# Allegro board LED_FIN.brd (continued)
## Routing (per net, layer and track width the routed paths; a pad name or vN(x,y) marks a point on that pad's centre or on a via; arc(x,y) is an arc through that point) (continued)
COL_CON_A0: length 68.5
  TOP w0.15: U274.1 276.15,132.95 274.7,131.5 J3.1
COL_CON_A1: length 67.1
  TOP w0.15: U273.1 274.15,133.98 273.77,133.6 234.78,133.6 J3.2
COL_CON_A2: length 66.3
  TOP w0.15: U272.1 272.15,134.2 271.95,134 233.91,134 J3.3
COL_CON_A3: length 66.6
  TOP w0.15: J3.4 229.68,131.96 229.68,132.63 231.44,134.4 269.95,134.4 270.15,134.6 U271.1
COL_CON_A4: length 65.5
  TOP w0.15: U270.1 268.15,135 267.95,134.8 230.13,134.8 228.87,133.54 J3.5
COL_CON_A5: length 65.4
  TOP w0.15: U269.1 266.15,135.4 265.95,135.2 227.8,135.2 227.6,135 J3.6
COL_CON_A6: length 64.9
  TOP w0.15: J3.7 226.33,132.15 226.05,132.43 226.05,135.12 226.53,135.6 263.95,135.6 264.15,135.8 U268.1
COL_CON_A7: length 64
  TOP w0.15: J3.8 225.06,135.8 225.26,136 261.95,136 262.15,136.2 U267.1
COL_CON_A8: length 63.2
  TOP w0.15: J3.9 223.79,136.2 223.99,136.4 259.95,136.4 260.15,136.6 U266.1
COL_CON_A9: length 62.9
  TOP w0.15: J3.10 222.05,131.97 222.05,136.13 222.72,136.8 257.95,136.8 258.15,137 U265.1
COL_CON_A10: length 61.8
  TOP w0.15: J3.11 221.25,137 221.45,137.2 255.95,137.2 256.15,137.4 U264.1
COL_CON_A11: length 61
  TOP w0.15: J3.12 219.98,137.4 220.18,137.6 253.95,137.6 254.15,137.8 U263.1
COL_CON_A12: length 60.3
  TOP w0.15: J3.13 218.71,137.75 218.96,138 251.95,138 252.15,138.2 U262.1
COL_CON_A13: length 59.6
  TOP w0.15: J3.14 217.44,138.2 217.64,138.4 249.95,138.4 250.15,138.6 U261.1
COL_CON_A14: length 59.1
  TOP w0.15: J3.15 216.17,132.15 215.85,132.47 215.85,138.28 216.37,138.8 247.95,138.8 248.15,139 U260.1
COL_CON_A15: length 58.1
  TOP w0.15: J3.16 214.9,139 215.1,139.2 245.95,139.2 246.15,139.4 U259.1
COL_CON_A16: length 57.4
  TOP w0.15: U258.1 244.15,139.8 243.95,139.6 213.83,139.6 213.63,139.4 J3.17
COL_CON_A17: length 56.9
  TOP w0.15: U257.1 242.15,140.2 241.95,140 212.56,140 212.04,139.48 212.04,132.47 212.36,132.15 J3.18
COL_CON_A18: length 55.9
  TOP w0.15: U256.1 240.15,140.6 239.95,140.4 211.29,140.4 211.09,140.2 J3.19
COL_CON_A19: length 55.2
  TOP w0.15: U255.1 238.15,141 237.95,140.8 210.02,140.8 209.82,140.6 J3.20
COL_CON_A20: length 53.9
  TOP w0.15: J3.21 208.55,140.07 209.68,141.2 235.95,141.2 236.15,141.4 U254.1
COL_CON_A21: length 53.7
  TOP w0.15: J3.22 207.28,141.4 207.48,141.6 233.95,141.6 234.15,141.8 U253.1
COL_CON_A22: length 53
  TOP w0.15: U252.1 232.15,142.2 231.95,142 206.21,142 206.01,141.8 J3.23
COL_CON_A23: length 51.6
  TOP w0.15: U251.1 230.15,142.6 229.95,142.4 206.02,142.4 204.74,141.12 J3.24
COL_CON_A24: length 51.5
  TOP w0.15: J3.25 203.47,142.6 203.67,142.8 227.95,142.8 228.15,143 U250.1
COL_CON_A25: length 50.9
  TOP w0.15: J3.26 202.05,131.65 202.05,142.85 202.4,143.2 225.95,143.2 226.15,143.4 U249.1
COL_CON_A26: length 49.5
  TOP w0.15: U248.1 224.15,143.8 223.95,143.6 202.08,143.6 200.93,142.45 J3.27
COL_CON_A27: length 49.4
  TOP w0.15: U247.1 222.15,144.2 221.95,144 199.86,144 199.66,143.8 J3.28
COL_CON_A28: length 48.9
  TOP w0.15: J3.29 198.39,132.15 198.05,132.49 198.05,143.86 198.59,144.4 219.95,144.4 220.15,144.6 U246.1
COL_CON_A29: length 47.9
  TOP w0.15: U245.1 218.15,145 217.95,144.8 197.32,144.8 197.12,144.6 J3.30
COL_CON_A30: length 47.2
  TOP w0.15: J3.31 195.85,145 196.05,145.2 215.95,145.2 216.15,145.4 U244.1
COL_CON_A31: length 46
  TOP w0.15: J3.32 194.58,144.59 195.59,145.6 213.95,145.6 214.15,145.8 U243.1
COL_CON_A32: length 45.7
  TOP w0.15: U242.1 212.15,146.2 211.95,146 193.51,146 193.31,145.8 J3.33
COL_CON_A33: length 45
  TOP w0.15: J3.34 192.04,146.2 192.24,146.4 209.95,146.4 210.15,146.6 U241.1
COL_CON_A34: length 44.2
  TOP w0.15: U240.1 208.15,147 207.95,146.8 191.02,146.8 190.77,146.55 J3.35
COL_CON_A35: length 43.5
  TOP w0.15: J3.36 189.5,147 189.7,147.2 205.95,147.2 206.15,147.4 U239.1
COL_CON_A36: length 43
  TOP w0.15: U238.1 204.15,147.8 203.95,147.6 188.43,147.6 187.91,147.08 187.91,132.47 188.23,132.15 J3.37
COL_CON_A37: length 42.1
  TOP w0.15: U237.1 202.15,148.2 201.95,148 187.16,148 186.96,147.8 J3.38
COL_CON_A38: length 41.3
  TOP w0.15: U236.1 200.15,148.6 199.95,148.4 185.89,148.4 185.69,148.2 J3.39
COL_CON_A39: length 41
  TOP w0.15: J3.40 183.96,131.96 183.96,148.14 184.62,148.8 197.95,148.8 198.15,149 U235.1
COL_CON_A40: length 41.1
  TOP w0.15: J4.1 181.95,149 182.15,149.2 195.95,149.2 196.15,149.4 U234.1
COL_CON_A41: length 39.8
  TOP w0.15: U233.1 194.15,149.8 193.95,149.6 181.74,149.6 180.68,148.54 J4.2
COL_CON_A42: length 39.6
  TOP w0.15: U232.1 192.15,150.2 191.95,150 179.61,150 179.41,149.8 J4.3
COL_CON_A43: length 39
  TOP w0.15: J4.4 178.05,131.59 178.05,150.11 178.34,150.4 189.95,150.4 190.15,150.6 U231.1
COL_CON_A44: length 37.5
  TOP w0.15: U230.1 188.15,151 187.95,150.8 178.16,150.8 176.87,149.51 J4.5
COL_CON_A45: length 37.4
  TOP w0.15: U229.1 186.15,151.4 185.95,151.2 175.8,151.2 175.6,151 J4.6
COL_CON_A46: length 36.9
  TOP w0.15: J4.7 174.33,132.15 174.05,132.43 174.05,151.12 174.53,151.6 183.95,151.6 184.15,151.8 U228.1
COL_CON_A47: length 36
  TOP w0.15: U227.1 182.15,152.2 181.95,152 173.26,152 173.06,151.8 J4.8
COL_CON_A48: length 35.2
  TOP w0.15: J4.9 171.79,152.2 171.99,152.4 179.95,152.4 180.15,152.6 U226.1
COL_CON_A49: length 34.9
  TOP w0.15: U225.1 178.15,153 177.95,152.8 170.72,152.8 170.05,152.13 170.05,131.97 J4.10
COL_CON_A50: length 33.8
  TOP w0.15: U224.1 176.15,153.4 175.95,153.2 169.45,153.2 169.25,153 J4.11
COL_CON_A51: length 33
  TOP w0.15: U223.1 174.15,153.8 173.95,153.6 168.18,153.6 167.98,153.4 J4.12
COL_CON_A52: length 32.3
  TOP w0.15: U222.1 172.15,154.2 171.95,154 166.96,154 166.71,153.75 J4.13
COL_CON_A53: length 31.6
  TOP w0.15: U221.1 170.15,154.6 169.95,154.4 165.64,154.4 165.44,154.2 J4.14
COL_CON_A54: length 29
  TOP w0.15: U220.1 168.15,158.5 163.85,154.2 163.85,132.47 164.17,132.15 J4.15
COL_CON_A55: length 28.4
  TOP w0.15: U219.1 166.15,158.5 162.9,155.25 J4.16
COL_CON_A56: length 28.1
  TOP w0.15: U218.1 164.15,157.92 161.63,155.4 J4.17
COL_CON_A57: length 28.1
  TOP w0.15: J4.18 160.36,132.15 160.04,132.47 160.04,155.48 162.15,157.59 U217.1
COL_CON_A58: length 27.5
  TOP w0.15: U216.1 160.15,157.26 159.09,156.2 J4.19
COL_CON_A59: length 27.2
  TOP w0.15: U215.1 158.15,131.83 J4.20
COL_CON_A60: length 27.3
  TOP w0.15: J4.21 156.15,131.9 U214.1
COL_CON_A61: length 27.6
  TOP w0.15: U213.1 154.15,157.33 155.28,156.2 J4.22
COL_CON_A62: length 27.9
  TOP w0.15: U212.1 152.15,157.66 154.01,155.8 J4.23
COL_CON_A63: length 28.2
  TOP w0.15: J4.24 152.74,154.38 150.15,156.97 U211.1
COL_CON_A64: length 30.2
  TOP w0.15: J4.25 151.47,155 151.27,155.2 148.35,155.2 148.15,155.4 U210.1
COL_CON_A65: length 30.9
  TOP w0.15: J4.26 150.05,131.65 150.05,154.75 150,154.8 146.35,154.8 146.15,155 U209.1
COL_CON_A66: length 31
  TOP w0.15: U208.1 144.15,154.6 144.35,154.4 147.69,154.4 148.93,153.16 J4.27
COL_CON_A67: length 32.4
  TOP w0.15: U207.1 142.15,154.2 142.35,154 147.46,154 147.66,153.8 J4.28
COL_CON_A68: length 33
  TOP w0.15: J4.29 146.39,132.15 146.05,132.49 146.05,153.59 146.04,153.6 140.35,153.6 140.15,153.8 U206.1
COL_CON_A69: length 33.8
  TOP w0.15: U205.1 138.15,153.4 138.35,153.2 144.92,153.2 145.12,153 J4.30
COL_CON_A70: length 34.6
  TOP w0.15: U204.1 136.15,153 136.35,152.8 143.65,152.8 143.85,152.6 J4.31
COL_CON_A71: length 34.7
  TOP w0.15: J4.32 142.58,151.26 141.44,152.4 134.35,152.4 134.15,152.6 U203.1
COL_CON_A72: length 36
  TOP w0.15: U202.1 132.15,152.2 132.35,152 141.11,152 141.31,151.8 J4.33
COL_CON_A73: length 36.8
  TOP w0.15: J4.34 140.04,151.4 139.84,151.6 130.35,151.6 130.15,151.8 U201.1
COL_CON_A74: length 37.5
  TOP w0.15: J4.35 138.77,151 138.57,151.2 128.35,151.2 128.15,151.4 U200.1
COL_CON_A75: length 38.2
  TOP w0.15: U199.1 126.15,151 126.35,150.8 137.3,150.8 137.5,150.6 J4.36
COL_CON_A76: length 38.9
  TOP w0.15: J4.37 136.23,132.15 136.03,132.35 136.03,150.35 135.98,150.4 124.35,150.4 124.15,150.6 U198.1
COL_CON_A77: length 39.7
  TOP w0.15: J4.38 134.96,149.8 134.76,150 122.35,150 122.15,150.2 U197.1
COL_CON_A78: length 40.4
  TOP w0.15: U196.1 120.15,149.8 120.35,149.6 133.49,149.6 133.69,149.4 J4.39
COL_CON_A79: length 41
  TOP w0.15: J4.40 131.96,131.96 131.96,149.15 131.91,149.2 118.35,149.2 118.15,149.4 U195.1
COL_CON_A80: length 40.7
  TOP w0.15: J5.1 129.95,148.6 129.75,148.8 116.35,148.8 116.15,149 U194.1
COL_CON_A81: length 41
  TOP w0.15: J5.2 128.68,147.47 127.75,148.4 114.35,148.4 114.15,148.6 U193.1
COL_CON_A82: length 42.1
  TOP w0.15: U192.1 112.15,148.2 112.35,148 127.21,148 127.41,147.8 J5.3
COL_CON_A83: length 42.9
  TOP w0.15: J5.4 126.05,131.59 126.05,147.49 125.94,147.6 110.35,147.6 110.15,147.8 U191.1
COL_CON_A84: length 43
  TOP w0.15: J5.5 124.87,146.07 123.74,147.2 108.35,147.2 108.15,147.4 U190.1
COL_CON_A85: length 44.3
  TOP w0.15: U189.1 106.15,147 106.35,146.8 123.4,146.8 123.6,146.6 J5.6
COL_CON_A86: length 45
  TOP w0.15: U188.1 104.15,146.6 104.35,146.4 122.03,146.4 122.05,146.38 122.05,132.43 122.33,132.15 J5.7
COL_CON_A87: length 45.8
  TOP w0.15: J5.8 121.06,145.8 120.86,146 102.35,146 102.15,146.2 U187.1
COL_CON_A88: length 46.5
  TOP w0.15: U186.1 100.15,145.8 100.35,145.6 119.59,145.6 119.79,145.4 J5.9
COL_CON_A89: length 47.1
  TOP w0.15: J5.10 118.05,131.97 118.05,133.01 118.07,133.03 118.07,145.15 118.02,145.2 98.35,145.2 98.15,145.4 U185.1
COL_CON_A90: length 48
  TOP w0.15: U184.1 96.15,145 96.35,144.8 117.05,144.8 117.25,144.6 J5.11
COL_CON_A91: length 48.7
  TOP w0.15: J5.12 115.98,144.2 115.78,144.4 94.35,144.4 94.15,144.6 U183.1
COL_CON_A92: length 49.4
  TOP w0.15: U182.1 92.15,144.2 92.35,144 114.51,144 114.71,143.8 J5.13
COL_CON_A93: length 50.2
  TOP w0.15: U181.1 90.15,143.8 90.35,143.6 113.24,143.6 113.44,143.4 J5.14
COL_CON_A94: length 50.9
  TOP w0.15: J5.15 112.17,132.15 111.97,132.35 111.97,143.15 111.92,143.2 88.35,143.2 88.15,143.4 U180.1
COL_CON_A95: length 51.6
  TOP w0.15: J5.16 110.9,142.6 110.7,142.8 86.35,142.8 86.15,143 U179.1
COL_CON_A96: length 52.3
  TOP w0.15: U178.1 84.15,142.6 84.35,142.4 109.43,142.4 109.63,142.2 J5.17
COL_CON_A97: length 53
  TOP w0.15: U177.1 82.15,142.2 82.35,142 107.99,142 108.04,141.95 108.04,132.47 108.36,132.15 J5.18
COL_CON_A98: length 53.8
  TOP w0.15: J5.19 107.09,141.4 106.89,141.6 80.35,141.6 80.15,141.8 U176.1
COL_CON_A99: length 54.5
  TOP w0.15: J5.20 105.82,141 105.62,141.2 78.35,141.2 78.15,141.4 U175.1
COL_CON_A100: length 55.3
  TOP w0.15: U174.1 76.15,141 76.35,140.8 104.35,140.8 104.55,140.6 J5.21
COL_CON_A101: length 56
  TOP w0.15: J5.22 103.28,140.2 103.08,140.4 74.35,140.4 74.15,140.6 U173.1
COL_CON_A102: length 56.7
  TOP w0.15: U172.1 72.15,140.2 72.35,140 101.81,140 102.01,139.8 J5.23
COL_CON_A103: length 56.8
  TOP w0.15: J5.24 100.74,138.3 99.44,139.6 70.35,139.6 70.15,139.8 U171.1
COL_CON_A104: length 58.2
  TOP w0.15: U170.1 68.15,139.4 68.35,139.2 99.27,139.2 99.47,139 J5.25
COL_CON_A105: length 58.9
  TOP w0.15: U169.1 66.15,139 66.35,138.8 98,138.8 98.05,138.75 98.05,131.65 J5.26
COL_CON_A106: length 59
  TOP w0.15: U168.1 64.15,138.6 64.35,138.4 95.68,138.4 96.93,137.15 J5.27
COL_CON_A107: length 60.4
  TOP w0.15: J5.28 95.66,137.8 95.46,138 62.35,138 62.15,138.2 U167.1
COL_CON_A108: length 61
  TOP w0.15: J5.29 94.39,132.15 94.05,132.49 94.05,137.59 94.04,137.6 60.35,137.6 60.15,137.8 U166.1
COL_CON_A109: length 61.8
  TOP w0.15: J5.30 93.12,137 92.92,137.2 58.35,137.2 58.15,137.4 U165.1
COL_CON_A110: length 62.6
  TOP w0.15: J5.31 91.85,136.6 91.65,136.8 56.35,136.8 56.15,137 U164.1
COL_CON_A111: length 62.7
  TOP w0.15: J5.32 90.58,135.13 89.31,136.4 54.35,136.4 54.15,136.6 U163.1
COL_CON_A112: length 64
  TOP w0.15: J5.33 89.31,135.8 89.11,136 52.35,136 52.15,136.2 U162.1
COL_CON_A113: length 64.8
  TOP w0.15: U161.1 50.15,135.8 50.35,135.6 87.84,135.6 88.04,135.4 J5.34
COL_CON_A114: length 65.5
  TOP w0.15: J5.35 86.77,135 86.57,135.2 48.35,135.2 48.15,135.4 U160.1
COL_CON_A115: length 66.2
  TOP w0.15: J5.36 85.5,134.6 85.3,134.8 46.35,134.8 46.15,135 U159.1
COL_CON_A116: length 66.9
  TOP w0.15: J5.37 84.23,132.15 84.03,132.35 84.03,134.35 83.98,134.4 44.35,134.4 44.15,134.6 U158.1
COL_CON_A117: length 67.7
  TOP w0.15: U157.1 42.15,134.2 42.35,134 82.76,134 82.96,133.8 J5.38
COL_CON_A118: length 68.4
  TOP w0.15: U156.1 40.15,133.8 40.35,133.6 81.49,133.6 81.69,133.4 J5.39
COL_CON_A119: length 68.3
  TOP w0.15: J5.40 40.05,131.5 38.15,133.4 U155.1
COL_CON_B0: length 69.4
  TOP w0.15: U343.1 276.95,128.95 275.67,130.23 J3.41
COL_CON_B1: length 67.9
  TOP w0.15: J3.42 234.91,128 274.57,128 274.95,127.62 U342.1
COL_CON_B2: length 67
  TOP w0.15: J3.43 234.04,127.6 272.75,127.6 272.95,127.4 U341.1
COL_CON_B3: length 67.4
  TOP w0.15: U340.1 270.95,127 270.75,127.2 231.44,127.2 229.68,128.97 229.68,129.77 J3.44
COL_CON_B4: length 67
  TOP w0.15: J3.45 228.87,127 229.07,126.8 268.75,126.8 268.95,126.6 U339.1
COL_CON_B5: length 66.2
  TOP w0.15: U338.1 266.95,126.2 266.75,126.4 227.8,126.4 227.6,126.6 J3.46
COL_CON_B6: length 65.7
  TOP w0.15: U337.1 264.95,125.8 264.75,126 226.53,126 226.05,126.48 226.05,129.3 226.33,129.58 J3.47
COL_CON_B7: length 64.8
  TOP w0.15: U336.1 262.95,125.4 262.75,125.6 225.26,125.6 225.06,125.8 J3.48
COL_CON_B8: length 64.1
  TOP w0.15: J3.49 223.79,125.4 223.99,125.2 260.75,125.2 260.95,125 U335.1
COL_CON_B9: length 63.7
  TOP w0.15: U334.1 258.95,124.6 258.75,124.8 222.72,124.8 222.05,125.47 222.05,129.76 J3.50
COL_CON_B10: length 62.6
  TOP w0.15: J3.51 221.25,124.6 221.45,124.4 256.75,124.4 256.95,124.2 U333.1
COL_CON_B11: length 61.9
  TOP w0.15: J3.52 219.98,124.2 220.18,124 254.75,124 254.95,123.8 U332.1
COL_CON_B12: length 61.1
  TOP w0.15: J3.53 218.71,123.85 218.96,123.6 252.75,123.6 252.95,123.4 U331.1
COL_CON_B13: length 60.4
  TOP w0.15: J3.54 217.44,123.4 217.64,123.2 250.75,123.2 250.95,123 U330.1
COL_CON_B14: length 59.9
  TOP w0.15: U329.1 248.95,122.6 248.75,122.8 216.37,122.8 215.85,123.32 215.85,129.26 216.17,129.58 J3.55
COL_CON_B15: length 58.9
  TOP w0.15: J3.56 214.9,122.6 215.1,122.4 246.75,122.4 246.95,122.2 U328.1
COL_CON_B16: length 58.2
  TOP w0.15: J3.57 213.63,122.2 213.83,122 244.75,122 244.95,121.8 U327.1
COL_CON_B17: length 57.7
  TOP w0.15: U326.1 242.95,121.4 242.75,121.6 212.56,121.6 212.05,122.11 212.05,129.27 212.36,129.58 J3.58
COL_CON_B18: length 56.8
  TOP w0.15: U325.1 240.95,121 240.75,121.2 211.29,121.2 211.09,121.4 J3.59
COL_CON_B19: length 56
  TOP w0.15: U324.1 238.95,120.6 238.75,120.8 210.02,120.8 209.82,121 J3.60
COL_CON_B20: length 55.3
  TOP w0.15: J3.61 208.55,120.6 208.75,120.4 236.75,120.4 236.95,120.2 U323.1
COL_CON_B21: length 54.6
  TOP w0.15: U322.1 234.95,119.8 234.75,120 207.48,120 207.28,120.2 J3.62
COL_CON_B22: length 53.8
  TOP w0.15: U321.1 232.95,119.4 232.75,119.6 206.21,119.6 206.01,119.8 J3.63
COL_CON_B23: length 53.1
  TOP w0.15: J3.64 204.74,119.45 204.99,119.2 230.75,119.2 230.95,119 U320.1
COL_CON_B24: length 52.4
  TOP w0.15: J3.65 203.47,119 203.67,118.8 228.75,118.8 228.95,118.6 U319.1
COL_CON_B25: length 51.8
  TOP w0.15: J3.66 202.05,130.08 202.05,118.75 202.4,118.4 226.75,118.4 226.95,118.2 U318.1
COL_CON_B26: length 50.4
  TOP w0.15: U317.1 224.95,117.8 224.75,118 202.09,118 200.93,119.16 J3.67
COL_CON_B27: length 50.2
  TOP w0.15: J3.68 199.66,117.8 199.86,117.6 222.75,117.6 222.95,117.4 U316.1
COL_CON_B28: length 49.7
  TOP w0.15: U315.1 220.95,117 220.75,117.2 198.59,117.2 198.05,117.74 198.05,129.24 198.39,129.58 J3.69
COL_CON_B29: length 48.7
  TOP w0.15: J3.70 197.12,117 197.32,116.8 218.75,116.8 218.95,116.6 U314.1
COL_CON_B30: length 48
  TOP w0.15: U311.1 216.95,116.2 216.75,116.4 196.05,116.4 195.85,116.6 J3.71
COL_CON_B31: length 47.2
  TOP w0.15: J3.72 194.58,116.25 194.83,116 214.75,116 214.95,115.8 U310.1
COL_CON_B32: length 46.5
  TOP w0.15: U309.1 212.95,115.4 212.75,115.6 193.51,115.6 193.31,115.8 J3.73
COL_CON_B33: length 45.8
  TOP w0.15: U308.1 210.95,115 210.75,115.2 192.24,115.2 192.04,115.4 J3.74
COL_CON_B34: length 45
  TOP w0.15: J3.75 190.77,115.05 191.02,114.8 208.75,114.8 208.95,114.6 U307.1
COL_CON_B35: length 44.3
  TOP w0.15: U306.1 206.95,114.2 206.75,114.4 189.7,114.4 189.5,114.6 J3.76
COL_CON_B36: length 43.8
  TOP w0.15: U305.1 204.95,113.8 204.75,114 188.43,114 188.05,114.38 188.05,130.05 J3.77
COL_CON_B37: length 42.9
  TOP w0.15: J3.78 186.96,113.8 187.16,113.6 202.75,113.6 202.95,113.4 U304.1
COL_CON_B38: length 42.2
  TOP w0.15: J3.79 185.69,113.4 185.89,113.2 200.75,113.2 200.95,113 U303.1
COL_CON_B39: length 41.8
  TOP w0.15: J3.80 183.96,129.77 183.96,113.46 184.62,112.8 198.75,112.8 198.95,112.6 U302.1
COL_CON_B40: length 41.9
  TOP w0.15: J4.41 181.95,112.6 182.15,112.4 196.75,112.4 196.95,112.2 U301.1
COL_CON_B41: length 41.1
  TOP w0.15: J4.42 180.68,112.25 180.93,112 194.75,112 194.95,111.8 U300.1
COL_CON_B42: length 40.4
  TOP w0.15: J4.43 179.41,111.8 179.61,111.6 192.75,111.6 192.95,111.4 U299.1
COL_CON_B43: length 39.8
  TOP w0.15: J4.44 178.05,130.14 178.05,111.49 178.34,111.2 190.75,111.2 190.95,111 U298.1
COL_CON_B44: length 38.5
  TOP w0.15: U297.1 188.95,110.6 188.75,110.8 177.96,110.8 176.87,111.89 J4.45
COL_CON_B45: length 38.2
  TOP w0.15: J4.46 175.6,110.6 175.8,110.4 186.75,110.4 186.95,110.2 U296.1
COL_CON_B46: length 37.7
  TOP w0.15: J4.47 174.33,129.58 174.05,129.3 174.05,110.48 174.53,110 184.75,110 184.95,109.8 U295.1
COL_CON_B47: length 36.8
  TOP w0.15: U294.1 182.95,109.4 182.75,109.6 173.26,109.6 173.06,109.8 J4.48
COL_CON_B48: length 36.1
  TOP w0.15: U293.1 180.95,109 180.75,109.2 171.99,109.2 171.79,109.4 J4.49
COL_CON_B49: length 35.7
  TOP w0.15: J4.50 170.05,129.76 170.05,109.47 170.72,108.8 178.75,108.8 178.95,108.6 U292.1
COL_CON_B50: length 34.6
  TOP w0.15: J4.51 169.25,108.6 169.45,108.4 176.75,108.4 176.95,108.2 U291.1
COL_CON_B51: length 33.9
  TOP w0.15: J4.52 167.98,108.2 168.18,108 174.75,108 174.95,107.8 U290.1
COL_CON_B52: length 33.1
  TOP w0.15: J4.53 166.71,107.85 166.96,107.6 172.75,107.6 172.95,107.4 U289.1
COL_CON_B53: length 32.4
  TOP w0.15: J4.54 165.44,107.4 165.64,107.2 170.75,107.2 170.95,107 U288.1
COL_CON_B54: length 31.8
  TOP w0.15: U287.1 168.95,106.6 168.75,106.8 164.37,106.8 164.05,107.12 164.05,130.11 J4.55
COL_CON_B55: length 30.9
  TOP w0.15: J4.56 162.9,106.6 163.1,106.4 166.75,106.4 166.95,106.2 U286.1
COL_CON_B56: length 30.2
  TOP w0.15: J4.57 161.63,106.2 161.83,106 164.75,106 164.95,105.8 U285.1
COL_CON_B57: length 29.7
  TOP w0.15: U284.1 162.95,105.4 162.75,105.6 160.56,105.6 160.04,106.12 160.04,129.26 160.36,129.58 J4.58
COL_CON_B58: length 27.9
  TOP w0.15: J4.59 159.09,105.51 160.95,103.65 U283.1
COL_CON_B59: length 27.6
  TOP w0.15: U282.1 158.95,103.87 157.82,105 J4.60
COL_CON_B60: length 27.3
  TOP w0.15: U281.1 156.95,129.83 J4.61
COL_CON_B61: length 27.3
  TOP w0.15: U280.1 154.95,105.07 155.28,105.4 J4.62
COL_CON_B62: length 27.6
  TOP w0.15: J4.63 154.01,105.8 152.95,104.74 U279.1
COL_CON_B63: length 27.9
  TOP w0.15: J4.64 152.74,107 150.95,105.21 U278.1
COL_CON_B64: length 28.2
  TOP w0.15: U277.1 148.95,104.08 151.47,106.6 J4.65
COL_CON_B65: length 28.5
  TOP w0.15: U276.1 146.95,103.75 150.05,106.85 150.05,130.08 J4.66
COL_CON_B66: length 28.8
  TOP w0.15: U275.1 144.95,103.2 148.93,107.18 J4.67
COL_CON_B67: length 31.6
  TOP w0.15: J4.68 147.66,107.8 147.46,107.6 143.15,107.6 142.95,107.4 U394.1
COL_CON_B68: length 32.2
  TOP w0.15: U393.1 140.95,107.8 141.15,108 146.04,108 146.05,108.01 146.05,129.24 146.39,129.58 J4.69
COL_CON_B69: length 33.1
  TOP w0.15: J4.70 145.12,108.6 144.92,108.4 139.15,108.4 138.95,108.2 U392.1
COL_CON_B70: length 33.8
  TOP w0.15: U391.1 136.95,108.6 137.15,108.8 143.65,108.8 143.85,109 J4.71
COL_CON_B71: length 34.5
  TOP w0.15: U390.1 134.95,109 135.15,109.2 142.38,109.2 142.58,109.4 J4.72
COL_CON_B72: length 35.3
  TOP w0.15: J4.73 141.31,109.8 141.11,109.6 133.15,109.6 132.95,109.4 U389.1
COL_CON_B73: length 36
  TOP w0.15: U388.1 130.95,109.8 131.15,110 139.84,110 140.04,110.2 J4.74
COL_CON_B74: length 36.7
  TOP w0.15: U387.1 128.95,110.2 129.15,110.4 138.57,110.4 138.77,110.6 J4.75
COL_CON_B75: length 37.4
  TOP w0.15: J4.76 137.5,111 137.3,110.8 127.15,110.8 126.95,110.6 U386.1
COL_CON_B76: length 38.1
  TOP w0.15: U385.1 124.95,111 125.15,111.2 135.98,111.2 136.03,111.25 136.03,129.38 136.23,129.58 J4.77
COL_CON_B77: length 38.9
  TOP w0.15: U384.1 122.95,111.4 123.15,111.6 134.76,111.6 134.96,111.8 J4.78
COL_CON_B78: length 39.6
  TOP w0.15: J4.79 133.69,112.2 133.49,112 121.15,112 120.95,111.8 U383.1
COL_CON_B79: length 40.2
  TOP w0.15: U382.1 118.95,112.2 119.15,112.4 131.97,112.4 132.02,112.45 132.02,129.18 132.42,129.58 J4.80
COL_CON_B80: length 39.9
  TOP w0.15: J5.41 129.95,113 129.75,112.8 117.15,112.8 116.95,112.6 U381.1
COL_CON_B81: length 40
  TOP w0.15: U380.1 114.95,113 115.15,113.2 127.43,113.2 128.68,114.45 J5.42
COL_CON_B82: length 41.4
  TOP w0.15: J5.43 127.41,113.8 127.21,113.6 113.15,113.6 112.95,113.4 U379.1
COL_CON_B83: length 42.1
  TOP w0.15: U378.1 110.95,113.8 111.15,114 125.94,114 126.05,114.11 126.05,130.14 J5.44
COL_CON_B84: length 42.8
  TOP w0.15: U377.1 108.95,114.2 109.15,114.4 124.67,114.4 124.87,114.6 J5.45
COL_CON_B85: length 43.5
  TOP w0.15: U376.1 106.95,114.6 107.15,114.8 123.4,114.8 123.6,115 J5.46
COL_CON_B86: length 44.2
  TOP w0.15: U375.1 104.95,115 105.15,115.2 122.03,115.2 122.05,115.22 122.05,129.3 122.33,129.58 J5.47
COL_CON_B87: length 45
  TOP w0.15: U374.1 102.95,115.4 103.15,115.6 120.86,115.6 121.06,115.8 J5.48
COL_CON_B88: length 45.7
  TOP w0.15: U373.1 100.95,115.8 101.15,116 119.59,116 119.79,116.2 J5.49
COL_CON_B89: length 46.3
  TOP w0.15: J5.50 118.05,129.76 118.05,128.59 118.07,128.57 118.07,116.45 118.02,116.4 99.15,116.4 98.95,116.2 U372.1
COL_CON_B90: length 47.2
  TOP w0.15: J5.51 117.25,117 117.05,116.8 97.15,116.8 96.95,116.6 U371.1
COL_CON_B91: length 47.9
  TOP w0.15: J5.52 115.98,117.4 115.78,117.2 95.15,117.2 94.95,117 U370.1
COL_CON_B92: length 48.7
  TOP w0.15: U369.1 92.95,117.4 93.15,117.6 114.51,117.6 114.71,117.8 J5.53
COL_CON_B93: length 49.4
  TOP w0.15: U368.1 90.95,117.8 91.15,118 113.24,118 113.44,118.2 J5.54
COL_CON_B94: length 50.1
  TOP w0.15: J5.55 112.17,129.58 111.97,129.38 111.97,118.45 111.92,118.4 89.15,118.4 88.95,118.2 U367.1
COL_CON_B95: length 50.8
  TOP w0.15: U366.1 86.95,118.6 87.15,118.8 110.7,118.8 110.9,119 J5.56
COL_CON_B96: length 51.6
  TOP w0.15: J5.57 109.63,119.4 109.43,119.2 85.15,119.2 84.95,119 U365.1
COL_CON_B97: length 52.2
  TOP w0.15: U364.1 82.95,119.4 83.15,119.6 108.01,119.6 108.05,119.64 108.05,129.27 108.36,129.58 J5.58
COL_CON_B98: length 53
  TOP w0.15: J5.59 107.09,120.2 106.89,120 81.15,120 80.95,119.8 U363.1
COL_CON_B99: length 53.8
  TOP w0.15: U362.1 78.95,120.2 79.15,120.4 105.62,120.4 105.82,120.6 J5.60
COL_CON_B100: length 54.5
  TOP w0.15: J5.61 104.55,121 104.35,120.8 77.15,120.8 76.95,120.6 U361.1
COL_CON_B101: length 55.2
  TOP w0.15: J5.62 103.28,121.4 103.08,121.2 75.15,121.2 74.95,121 U360.1
COL_CON_B102: length 56
  TOP w0.15: J5.63 102.01,121.8 101.81,121.6 73.15,121.6 72.95,121.4 U359.1
COL_CON_B103: length 56.7
  TOP w0.15: J5.64 100.74,122.2 100.54,122 71.15,122 70.95,121.8 U358.1
COL_CON_B104: length 57.4
  TOP w0.15: J5.65 99.47,122.6 99.27,122.4 69.15,122.4 68.95,122.2 U357.1
COL_CON_B105: length 58.1
  TOP w0.15: J5.66 98.05,130.08 98.05,122.85 98,122.8 67.15,122.8 66.95,122.6 U356.1
COL_CON_B106: length 58.2
  TOP w0.15: J5.67 96.93,124.48 95.65,123.2 65.15,123.2 64.95,123 U355.1
COL_CON_B107: length 59.6
  TOP w0.15: J5.68 95.66,123.8 95.46,123.6 63.15,123.6 62.95,123.4 U354.1
COL_CON_B108: length 60.2
  TOP w0.15: U353.1 60.95,123.8 61.15,124 94.04,124 94.05,124.01 94.05,129.24 94.39,129.58 J5.69
COL_CON_B109: length 61.1
  TOP w0.15: U352.1 58.95,124.2 59.15,124.4 92.92,124.4 93.12,124.6 J5.70
COL_CON_B110: length 61.8
  TOP w0.15: J5.71 91.85,125 91.65,124.8 57.15,124.8 56.95,124.6 U351.1
COL_CON_B111: length 62.5
  TOP w0.15: J5.72 90.58,125.4 90.38,125.2 55.15,125.2 54.95,125 U350.1
COL_CON_B112: length 63.3
  TOP w0.15: U349.1 52.95,125.4 53.15,125.6 89.11,125.6 89.31,125.8 J5.73
COL_CON_B113: length 64
  TOP w0.15: J5.74 88.04,126.2 87.84,126 51.15,126 50.95,125.8 U348.1
COL_CON_B114: length 64.7
  TOP w0.15: J5.75 86.77,126.6 86.57,126.4 49.15,126.4 48.95,126.2 U347.1
COL_CON_B115: length 65.4
  TOP w0.15: U346.1 46.95,126.6 47.15,126.8 85.3,126.8 85.5,127 J5.76
COL_CON_B116: length 66.2
  TOP w0.15: U345.1 44.95,127 45.15,127.2 84.03,127.2 84.05,127.22 84.05,130.05 J5.77
COL_CON_B117: length 66.9
  TOP w0.15: J5.78 82.96,127.8 82.76,127.6 43.15,127.6 42.95,127.4 U344.1
COL_CON_B118: length 67.6
  TOP w0.15: J5.79 81.69,128.2 81.49,128 41.15,128 40.95,127.8 U313.1
COL_CON_B119: length 68.3
  TOP w0.15: J5.80 39.43,130.23 38.95,129.75 U312.1
COL_CON_C0: length 69.4
  TOP w0.15: U463.1 277.05,39 275.8,40.25 J6.1
COL_CON_C1: length 68.4
  TOP w0.15: U462.1 275.05,38.6 274.85,38.8 234.23,38.8 J6.2
COL_CON_C2: length 67.4
  TOP w0.15: U461.1 273.05,38.2 272.85,38.4 233.36,38.4 J6.3
COL_CON_C3: length 66.5
  TOP w0.15: J6.4 232.49,38 270.85,38 271.05,37.8 U460.1
COL_CON_C4: length 66.9
  TOP w0.15: J6.5 228.97,37.8 229.17,37.6 268.85,37.6 269.05,37.4 U459.1